# KiCad board motordriver.kicad_pcb (continued)
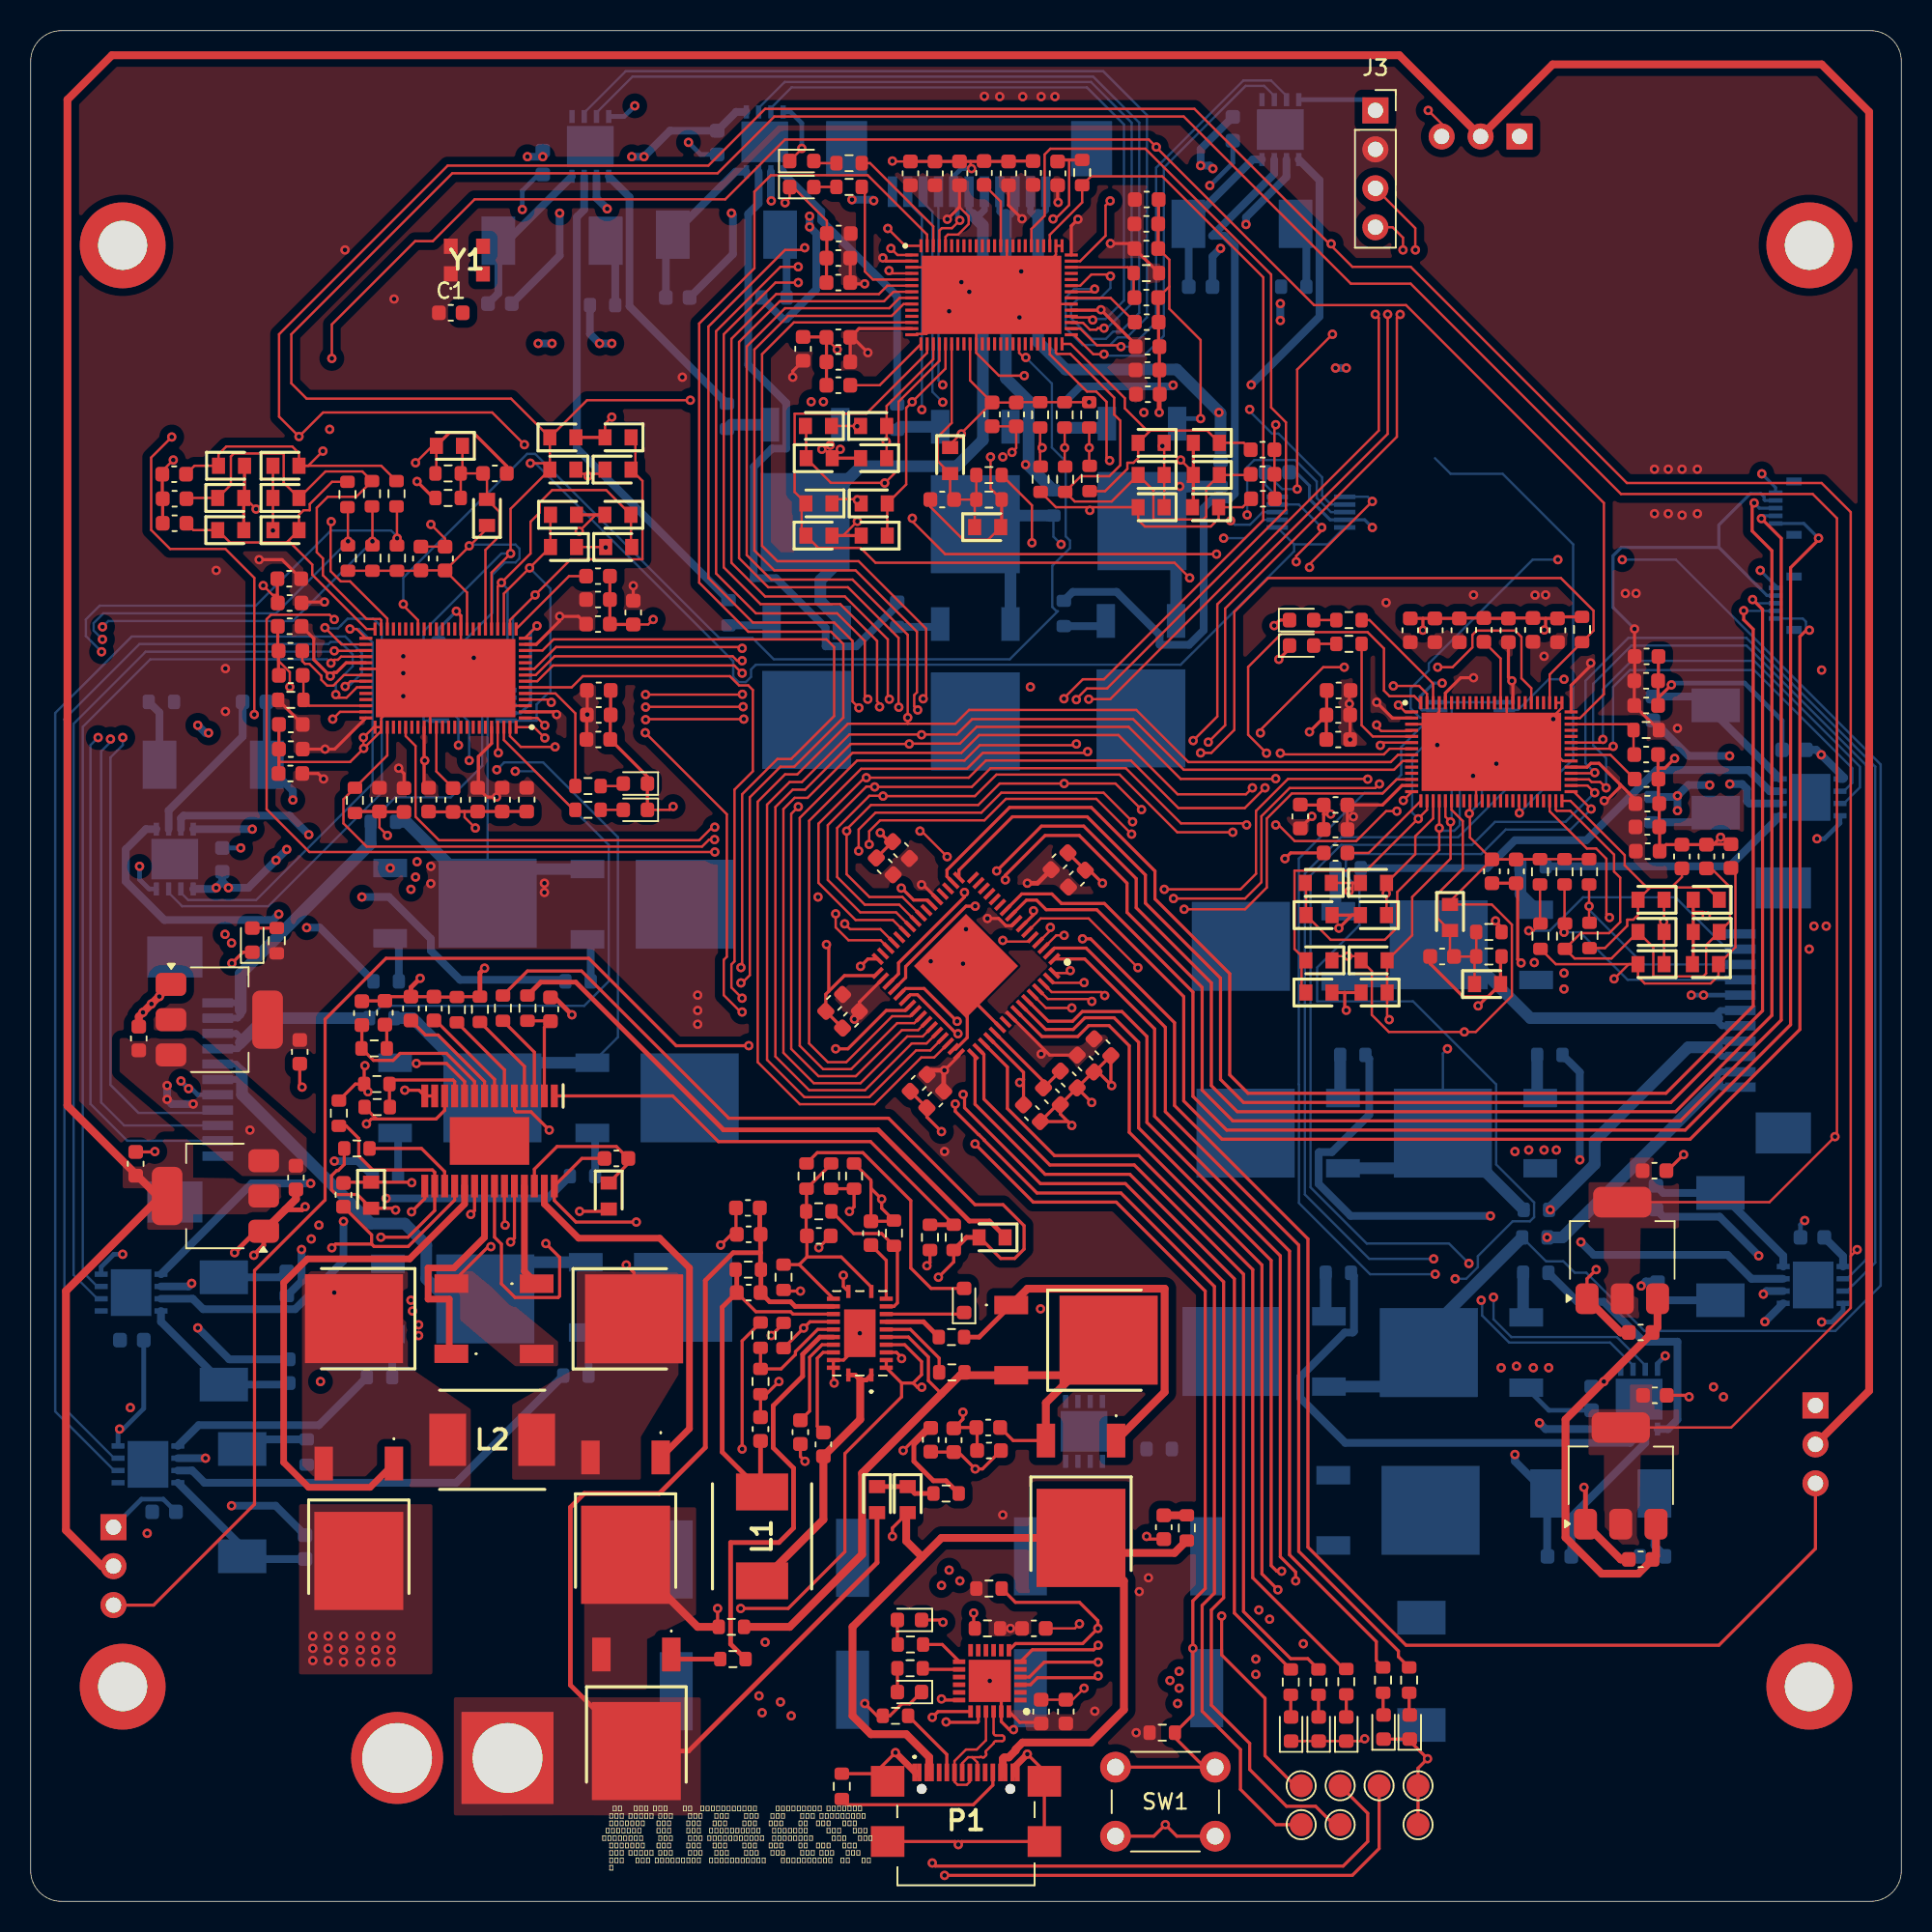
[diagram p0: board, top side]
## Nets (continued)
Pads without a net: IC1 9; IC2 9; IC3 9; IC6 29; IC7 11 12 13 14 15 16 19 20 23 28 31 55; IC8 9; IC9 9; IC10 9; IC12 2 6 7 8 9; IC13 9; IC14 9; IC15 9; J1 6 7; J2 6 7; J5 MP1 MP2; J6 MP1 MP2; J7 MP1 MP2; P1 A8 B8; U5 10 11 21 22 25 26 27 28 29 30 32 33 34 35 48 49 56 57 59 60 64 65 66 67 68 69 70 71; U6 1 2 5 8 9 10 11 12 15 16 17; U7 10 11 21 22 25 26 27 28 29 30 32 33 34 35 48 49 56 57 59 60 64 65 66 67 68 69 70 71; U8 10 11 21 22 25 26 27 28 29 30 32 33 34 35 48 49 56 57 59 60 64 65 66 67 68 69 70 71

## Via types
v1: diameter 0.61, hole 0.3, Top to Bottom, 639 vias
v2: diameter 0.6, hole 0.3, Top to Bottom, 2 vias

## Routing (per net, layer and track width the routed paths; a pad name or vN(x,y) marks a point on that pad's centre or on a via; arc(x,y) is an arc through that point)
+2.5V: length 442.6
  Top w0.152: U8.17 91.47,70.62 90.3,69.46 90.3,68.3 D64.2 D65.1 ; D18.1 D17.2 55.82,97.53 58.87,100.56 U5.17 ; v1(43.02,97.9) 36.28,97.9 D41.1 ; U1.2 113.4,45.6 v1(117.67,49.87) 117.8,50 117.8,90.2 116.22,91.78 103.72,91.78 90,105.5 86.1,105.5 75.2,116.4 48.5,116.4 44.8,112.7 27.5,112.7 17,102.2 17,99 18,98 31.33,98 D41.1 ; D40.2 D41.1 ; D40.2 33.45,93.79 v1(32.59,93.79) ; D40.2 31.3,90.82 v1(31.3,87.9) 30.06,86.66 U7.19 ; D43.1 D42.2 30.86,85.28 U7.17 ; U5.19 59.66,99.97 v1(57.49,97.79) 57.1,97.4 57.1,92.41 D15.2 D16.1 ; v1(88.6,57.5) 88.47,57.64 D63.1 D62.2 90.1,63 90.1,65.5 92.6,68 v1(92.6,70.4) 92.26,70.73 U8.19
  In1.Cu w0.152: v1(88.41,65.73) 90.23,65.73 92.6,68.1 v1(92.6,70.4)
  In2.Cu w0.152: v1(43.02,97.9) 43.82,98.7 56.58,98.7 v1(57.49,97.79) 55.8,96.1 v1(55.8,95.2) ; v1(117.67,49.87) 110.04,57.5 v1(88.6,57.5) ; v1(31.3,87.9) 31.6,87.9 v1(32.54,86.96)
  Bottom w0.152: v1(32.59,93.79) 32.91,93.79 45.82,80.88 45.82,79.86 46.16,79.52 46.64,79.52 46.98,79.86 46.98,80.34 47.29,80.65 75,80.65 82.4,88.05 82.4,88.5 ; 82.4,88.5 84.6,88.5 IC4.5 ; 82.4,88.5 IC4.6 ; v1(32.54,86.96) 33.9,85.6 33.9,78.78 33.71,78.78 33,78.06 33,77 IC11.5 ; 92.68,78.13 92.75,78.2 IC16.6 ; 92.68,78.13 92.68,70.48 v1(92.6,70.4) ; 92.68,78.13 92.6,78.2 IC16.5 ; v1(31.3,87.9) 30.7,87.9 25.62,82.82 25.62,77.07 25.7,77 IC11.6
+3.3V: length 484
  Top w0.152: 60.57,110.5 61.18,109.9 61.18,109.39 60.48,108.7 59.81,108.7 59.66,108.55 U5.72
  Top w0.203: 103.65,72.85 102.28,74.22 101.75,74.22 101.51,73.97 U8.43 ; 103.65,72.85 104.66,71.84 ; 103.65,72.85 103.65,72.67 102.76,71.78 v1(102.62,71.78) ; v1(54.39,105.49) 53.53,105.49 ; v1(14.9,87.5) 16.39,87.5 C84.2 ; v1(64.65,109.73) 63.78,110.61 C56.2 ; U7.2 34.12,77.58 v1(34.3,77.4) ; IC7.8 63.98,63.63 63.6,63.63 63.13,64.1 v1(62.4,64.1) ; 59.13,65.37 58.2,66.3 v1(58.1,66.3) ; IC7.56 66.46,55.19 C68.1 ; U6.24 64.5,11.68 65.82,11.68 ; U8.13 89.43,72.77 88.16,71.5 C125.2 C143.2 ; R97.2 C135.2 C134.2 ; U7.72 30.06,75.52 29.21,74.66 ; C39.2 66.97,110.84 v1(67.01,110.8) ; v1(39.3,85.8) C107.2 ; U8.52 100.47,79.31 101.74,80.58 v1(101.74,80.76) ; v1(94.1,79.8) 93.26,79.8 92.26,78.8 U8.72 ; C122.2 104.61,79.62 ; C62.2 C44.2 54.02,102.57 U5.13 ; 82.8,70 v1(83.56,70.76) ; 29.21,74.66 29.21,72.68 ; 29.21,74.66 29.21,72.57 29.75,72.02 v1(30.38,72.02) ; C101.2 24.35,73.55 v1(24,73.9) ; v1(68.3,109.7) 67.87,109.27 U5.52 ; C95.2 18.47,82.35 18.47,80.98 v1(19.54,79.9) 19.78,80.14 19.94,80.14 20.58,80.78 U7.43 ; U8.61 96.66,79.53 v1(96.6,79.6) 96.38,79.83 C137.2 ; C73.1 54.05,58.64 IC7.34 ; C88.2 35.72,83.8 v1(34.5,83.8) 34.5,83.5 32.97,81.97 U7.13 ; v1(19.1,73.2) 18.75,73.56 C85.2 ; C63.2 49.7,99.8 v1(49.7,99.4) ; C55.2 60.57,110.5 v1(59.78,109.7) ; U8.2 88.81,77.17 v1(87.78,78.2) ; C104.2 36.27,75.8 ; v1(55.58,107.18) 55.79,106.97 U5.2 ; v1(104.6,82.98) 104.6,81.2 ; v1(70.42,108.12) 71.66,108.12 C54.2 R51.2 ; 25.66,72.92 U7.61 ; v1(36.3,77.4) 36.3,78.95 ; U7.52 19.83,75.14 v1(19.2,75.14) C97.2 ; 72.06,101.54 v1(69.8,103.8) 69.77,103.77 U5.43 ; C141.2 v1(86.05,75.77) ; R72.2 C98.2 ; v1(59.59,54.2) 60.54,55.15 IC7.48 ; C59.2 C60.2 ; 86,78.89 v1(86,78.1) 86,77.42 ; 53.6,102 v1(54.6,101) ; v1(19.16,84.74) 17.73,84.74
  Top w0.305: v1(53.72,57.53) 53.72,57.72 C73.1 ; v1(65,66.4) 65.67,66.4 C72.1 ; C75.1 59.55,54.15 v1(59.59,54.2) 58.74,54.2 C76.1
  In1.Cu w0.305: v1(53.72,57.53) 56.49,60.3 60.8,60.3 65.84,55.26 v1(65.9,55.26) ; v1(63.4,25.2) 67.5,21.1 v2(72.9,21.1) ; v2(72.3,20.2) 71.7,20.8 66.9,20.8 v1(63.9,17.8) ; v1(72.1,11) 70.7,12.4 v1(69.4,12.4) ; v1(62.4,64.1) 64.7,66.4 v1(65,66.4)
  In2.Cu w0.203: v1(68.3,109.7) 67.2,110.8 v1(67.01,110.8) ; v1(68.3,109.7) 68.3,110.6 66.8,112.1 v1(66.8,117.7) ; v1(68.3,109.7) 68.84,109.7 v1(70.42,108.12) ; v1(12.7,77.6) 13.54,76.76 17.59,76.76 v1(19.2,75.14) ; 56.46,107.18 56.59,107.05 56.59,106.1 55.98,105.49 v1(54.39,105.49) 54.39,101.21 v1(54.6,101) 54.2,100.6 50.9,100.6 v1(49.7,99.4) v1(42.5,99.4) ; 56.46,107.18 v1(55.58,107.18) ; 56.46,107.18 62.2,112.93 v1(62.2,117.72) ; v1(64.65,109.73) 64.65,117.65 v1(64.7,117.7) ; v1(19.54,79.9) 19.29,79.66 19.29,78.36 20.31,77.35 20.31,76.25 v1(19.2,75.14) ; v1(19.54,79.9) 19.35,80.1 13,80.1 v1(12.7,80.4) ; v1(19.54,79.9) 18.58,80.86 18.58,84.16 v1(19.16,84.74) ; v1(98.11,85.19) 98.12,85.2 v1(98.8,85.2) 98.9,85.3 v1(104,85.3) v1(104.7,85.3) ; v1(34.3,77.4) 33.89,77.4 33.34,77.94 33.34,82.64 v1(34.5,83.8) 36.5,85.8 v1(39.3,85.8) ; v1(34.3,77.4) 33.38,77.4 32.92,76.94 32.92,66.98 v1(33.51,66.4) v1(33.51,65.8) ; v1(34.3,77.4) v1(36.3,77.4) ; v1(104.6,82.98) 104.19,82.58 103.55,82.58 v1(101.74,80.76) 101.3,81.2 v1(98.7,81.2) 98.2,81.2 v1(96.6,79.6) ; v1(19.1,73.2) 19.1,75.05 v1(19.2,75.14) ; v1(107.7,93.4) v1(107.7,90.4) ; v1(83.56,70.76) 84.31,70 85.52,70 v1(86.26,70.74) 85.9,71.1 85.9,75.62 v1(86.05,75.77) ; v1(30.38,72.02) 30.38,69.18 27.57,66.37 v1(26.09,66.37) v1(26.09,67.5) 26.09,74.01 v1(25.7,74.4) 25.2,73.9 v1(24,73.9) ; v1(59.78,109.7) 59.81,109.7 63.2,113.09 v1(63.2,117.7) ; v1(102.62,71.78) 102.76,71.78 107.4,76.42 v1(107.4,76.5) ; v1(14.9,87.5) 12.8,87.5 v1(12.1,86.8) ; v1(94.1,79.8) v1(94.1,85.2) ; v1(106.8,93.4) v1(106.8,90.5) ; v1(86,78.1) 86.1,78.2 v1(87.78,78.2) 87.78,84.08 v1(88.4,84.7) ; v1(108.7,93.4) v1(108.7,90.5) ; v1(69.8,103.8) 65.9,107.7 v1(65.9,117.7) ; v1(105.9,93.4) v1(105.9,90.5) ; v1(23.7,104.5) v1(20.5,107.7)
  In2.Cu w0.305: v1(62.4,64.1) 60.3,64.1 v1(58.1,66.3) 53.5,61.7 45.6,61.7 43.5,59.6 v1(43.5,59.1) v1(43.5,58.1) v1(43.5,57.2) 53.39,57.2 v1(53.72,57.53) 56.27,57.53 59.6,54.2 59.6,53.4 58.74,52.54 58.74,49.76 v1(59.6,48.9) 59.76,48.74 61.94,48.74 65.9,52.7 v1(65.9,55.26)
  Bottom w0.203: J2.2 113.1,91.36 113.05,91.41 113.05,91.6 112.84,91.81 112.15,91.81 110.1,89.76 110.1,88.3 ; J1.2 113.24,85.16 110.1,88.3 ; v1(104.6,82.98) 103.19,84.39 103.19,87.75 103.74,88.3 110.1,88.3
+5V: length 314.9
  Top w0.508: S3.2 119.9,33.3 119.9,116.7 116.8,119.8 99.26,119.8 S2.2 89.26,120.4 5.3,120.4 2.4,117.5 2.4,51.88 8.28,46 ; 8.5,46 2.3,39.8 2.3,24.2 4.64,21.86 S1.2
+5VA: length 479.6
  Top w0.152: C147.2 96.87,67.95 ; C147.2 93.87,69.39 U8.23 ; C147.2 92.56,65.22 ; 95.31,67.94 98.41,67.94 ; 118.7,38.7 118.7,90.6 116.8,92.5 104.1,92.5 90,106.6 86.2,106.6 75.9,116.9 47.9,116.9 44.2,113.2 27.2,113.2 16.2,102.2 16.2,96.83 v1(17.5,95.53) 19.07,97.1 30.1,97.1 v1(32.2,95) ; 118.7,38.7 110.9,30.9 U4.2 ; 118.7,38.7 118.7,42.08 v1(119.12,42.5) ; U7.23 28.46,85.36 C110.2 29.76,89.53 ; D19.1 D21.1 D24.1 ; D13.1 D17.1 ; D66.1 D68.1 D71.1 ; 60.62,95.67 C66.2 61.26,99.19 U5.23 ; 60.62,95.67 60.65,95.7 v1(60.7,95.7) ; 60.62,95.67 59.97,95.02 ; 86.2,66.42 86.2,66.09 v1(85.98,65.87) ; 86.2,66.42 D60.1 ; 86.2,66.42 D64.1 ; D74.1 95.29,65.01 96.6,63.7 96.6,59.05 94.25,56.7 v1(93.5,56.7) 88.58,56.7 87.47,57.81 87.47,60.67 D62.1 ; 86.49,61.64 85.14,61.64 ; v1(84.9,102.2) 82.6,99.9 v1(82.6,92.1) ; R64.1 R65.1 R66.1 25.42,86.78 ; C108.2 27.02,86.8 ; D44.1 D46.1 D49.1 ; R89.1 R90.1 R91.1 96.9,67.97 ; D38.1 D42.1 ; C64.2 62.71,97.75 ; 53.89,91.44 52.54,91.44 ; v1(69.03,97.77) R44.1 R45.1 64.3,97.77 ; 35.83,93.1 37.19,93.1
  In2.Cu w0.152: v1(84.9,102.2) 84.9,108.01 v1(84.81,108.1) ; v1(53.92,91.4) 53.92,91.62 58,95.7 v1(60.7,95.7) ; v1(53.92,91.4) 50.82,88.3 v1(37.5,88.3) 36.35,89.45 v1(36.35,92.95) 36.35,93.15 36.4,93.2 34,93.2 ; v1(53.92,91.4) 53.92,96.19 v1(53.91,96.2) ; v1(15.8,89.4) 15.8,93.83 v1(17.5,95.53) ; 34,93.2 29.2,88.4 v1(28.6,88.4) ; 34,93.2 v1(32.2,95) ; v1(119.12,42.5) 118.71,42.91 ; 118.71,42.91 118.71,51.69 v1(106.5,63.9) ; 118.71,42.91 118.71,47.29 109.3,56.7 v1(93.5,56.7) ; v1(85.98,65.87) 85.9,65.79 v1(85.9,61.64) ; v1(73.81,94.91) 70.95,97.77 v1(69.03,97.77)
  Bottom w0.152: v1(93.82,70.94) 94.65,71.77 C118.2 96.1,76.05 IC16.10 ; IC4.10 80.53,92.38 C155.2 81.62,92.1 v1(82.6,92.1) ; IC11.10 C9.2 30.12,84.04 30.12,86.52 30.92,87.32 31.62,87.32 31.88,87.58 31.88,88.22 31.62,88.48 28.68,88.48 v1(28.6,88.4)
+12V: length 138.4
  Top w0.152: v1(65.3,88.6) 65.3,91.05 R53.1 ; 95.93,63.55 v1(95.53,63.94)
  Top w0.203: IC6.24 31.55,43.25 v1(31.3,43) ; 22.55,51.02 R34.2 ; 22.55,51.02 22.22,51.02 v1(21.9,50.7) ; 22.55,51.02 26.44,51.02 27,51.59 IC6.12 ; 26.28,91.53 v1(25.2,92.6)
  Top w0.508: U4.3 106,22.53 C28.1 104.85,21.37 102.46,21.37 100.1,23.73 100.1,31.42 C10.1 106.1,37.42 U1.3
  In2.Cu w0.152: v1(65.2,79.2) 65.3,79.3 v1(65.3,88.6) ; v1(95.53,63.94) 97.38,62.1 103.88,62.1 106.26,64.48 106.74,64.48 109.12,62.1 v1(115.99,62.1)
  Bottom w0.508: v1(81.5,103.1) v1(81.5,104.2) ; 12.5,66.5 v1(12.9,66.1) 14.2,66.1 v1(16,67.9) v1(16.7,68.6) ; 12.5,66.5 C116.1 ; 12.5,66.5 v1(12.1,66.1) 12.03,66.03 IC10.1 ; v1(107.4,72.1) 108.1,72.8 v1(109.5,72.8) ; v1(107.4,72.1) 107.32,72.03 R101.1 ; v1(107.4,72.1) v1(107.4,71.13) ; v1(10.9,76.7) 11.4,76.2 v1(11.6,76.2) ; IC14.1 118.2,42.07 C151.1 ; v1(77.1,113) 76.9,113.2 v1(76.3,113.2) 76.3,114.28 C7.1 ; v1(33.1,101.6) v1(34,101.6) ; IC13.1 118.19,73.2 118.27,73.28 v1(116.78,74.78) 116.45,75.1 C149.1 ; v1(54.98,110.91) 54.91,110.98 v1(53.56,110.98) ; v1(85.8,100) v1(85.1,100) ; v1(37.9,101.6) v1(37.1,101.6) 36.47,102.22 R1.1 ; IC2.1 46,116.7 C5.1 41.69,115.47 v1(40,113.78) v1(39.2,113.78) ; v1(32.4,113.78) v1(33.4,113.78) ; v1(8.9,53.2) v1(8.9,52.3) 9.2,52 v1(10.6,52) ; R104.1 105.32,40.42 v1(105.03,40.13) ; v1(50.8,109.9) v1(50.8,109.2) 51.24,108.76 51.24,105.13 49.3,103.19 49.06,103.19 R4.1 ; v1(17.67,42.51) 17.67,40.44 R79.1
  vias: v1(6.5,32.2) v1(7.6,24) v1(12.67,63.07) v1(13.1,62.5) v1(14.3,50.3) v1(18.3,43.2) v1(18.4,17.3) v1(18.4,16.5) v1(18.4,15.7) v1(18.8,44.1) v1(18.9,33.9) v1(19.4,17.3) v1(19.4,16.5) v1(19.4,15.7) v1(20.4,17.3) v1(20.4,16.4) v1(20.4,15.6) v1(21.5,17.3) v1(21.5,16.4) v1(21.5,15.6) v1(22.5,17.3) v1(22.5,16.4) v1(22.5,15.6) v1(23.5,17.3) v1(23.5,16.4) v1(23.5,15.6) v1(102.6,33.9) v1(109.75,33.55) v1(110.4,32.9) v1(116.3,63.6) v1(116.8,80.3) v1(117.1,63.6)
/voltageregulators/VCC: length 25.4
  Top w0.203: R36.1 20.45,48.06 20.06,47.67 19.97,47.67 19.62,47.32 19.62,46.4 19.93,46.1 21.3,46.1 D9.2 23.69,45.2 v1(23.8,45.09) ; IC6.23 30.9,44.14 v1(30.94,44.1) ; v1(35.8,45) 37.55,45
  In1.Cu w0.203: v1(23.8,45.09) 23.8,44.3 24,44.1 v1(30.94,44.1) 34.9,44.1 v1(35.8,45)
GND: length 590.8
  Top w0.152: 75.82,93.17 v1(75,94) ; U7.14 32.26,82.42 v1(33.02,83.18) ; C82.2 68.1,17.8 v1(68.4,18.1) ; 16.09,85.2 15.77,85.2 v1(15.17,85.81) ; U8.73 91.87,77.59 91.05,76.77 U8.3 ; v1(30.5,74.9) 30.46,74.94 U7.73 ; U8.62 96.26,75.97 ; U5.3 59.73,106.57 ; v1(24.3,78.6) 22.86,77.16 U7.54 U7.53 22.38,76.58 v1(21.7,75.9) 21.7,75.21 v1(21.72,75.19) ; v1(50.29,114.32) 50.29,114.29 D23.1 ; v1(40.6,83.6) 40.28,83.28 39.3,83.28 ; U7.62 26.06,78.78 ; U7.24 28.06,80.78 ; C110.1 27.02,88.88 v1(26.1,89.8) ; C77.2 C78.2 67.95,13.15 v1(68.7,13.9) ; U8.24 94.26,73.2 ; v1(23.27,69.52) 22.75,70.03 22.75,71.08 ; 81.14,92.96 C47.1 ; 67.7,113.57 67.73,113.54 67.73,110.63 66.82,109.72 v1(66.68,109.72) ; v1(29,70) 28.3,70.7 28.3,71.08 ; 74.26,105.32 74.26,107.06 C54.1 ; 74.26,105.32 C52.2 ; 74.26,105.32 74.26,103.86 76.3,101.83 v1(76.3,96.7) ; v1(21.72,75.19) 20.83,74.31 16.2,74.31 16.19,74.3 ; v1(21.72,75.19) 22.86,76.33 ; 26.21,94.92 v1(25.1,93.82) ; U8.53 U8.54 ; U7.3 28.86,77.97 ; v1(53.92,90) 52.99,89.07 D12.2 ; U8.44 99.93,74.37 99.3,75 ; 61.66,103.77 U5.24 61.66,100.99 63.15,99.5 v1(64.8,99.5) ; v1(89.52,71.79) 90.06,72.34 U8.14 ; R54.2 62.6,92.15 v1(62.6,94.2) ; v1(60.59,109.63) 60.08,109.12 59.42,109.12 59.26,108.97 U5.73 ; 16.16,80.9 16.9,80.16 v1(16.9,79.2) ; U5.44 62.01,104.17 ; v1(41.9,71.4) 41.69,71.19 D48.1 ; U7.44 24.03,80.38 ; v1(81.2,96.3) 81.12,96.22 C43.1 C46.1 ; 57.74,102.17 57.79,102.22 58.42,102.22 v1(59.9,103.7) ; C65.1 58.68,90.94 60.82,88.8 62.44,88.8 D28.2 ; U5.53 U5.54 66.87,107.39 64.25,104.77 ; 51.9,101.91 v1(52.6,101.21) ; v1(37.9,96.8) 37.46,96.36 D37.2 ; v1(35.78,89.35) 36.85,90.42 D39.2 ; v1(56.2,113.5) 56.23,113.47 C49.1 ; v1(49.2,110.78) 49.5,111.08 49.5,111.82 ; U5.62 63.66,105.77 ; 49.7,111.82 51.93,109.6 C42.1 ; D31.1 D32.1 86.85,10.45 v1(87,10.6) ; D53.2 26.46,93.19 ; C108.1 27.02,88.35 ; 61.3,113.47 61.3,113.06 v1(61.36,113.01) ; 13.97,91.53 v1(14.7,90.8) ; 99.87,77.84 99.3,77.28 ; v1(64,94.5) 64.28,94.78 C64.1 62.71,96.19 ; 8.58,93.28 v1(9.3,94)
  Top w0.203: 16.19,73.58 C97.1 C98.1 ; D30.1 D29.1 ; 95.87,61.56 D75.2 95.04,58.99 ; 89.94,10.46 v1(91.1,9.3) 90.48,8.68 TP3.1 TP7.1 ; 54.8,46.9 54.8,47.03 R23.2 ; 54.8,46.9 54.8,46.5 v1(55.5,45.8) 55.5,45.2 56.3,44.4 ; 54.8,46.9 C15.2 56.25,44.35 ; 62.15,113.47 C55.1 C48.1 C49.1 ; C61.1 C62.1 C44.1 ; 66.11,8.49 v1(65,9.6) ; 95.04,58.99 94.99,58.99 v1(94.4,58.4) ; 95.04,58.99 93.43,58.99 91.28,61.14 C146.1 ; IC6.15 25.7,45.83 v1(24.84,44.97) ; C24.1 R15.1 ; v1(50.5,28.7) 50.2,29 C23.2 ; D8.1 13.85,61.9 v1(13.12,61.18) ; D39.2 D43.2 ; 90.8,83.67 C129.1 C136.1 ; 90.8,83.67 v1(90.8,82.9) ; 90.8,83.67 C130.1 ; v1(21.8,54.5) 21.75,54.45 R35.1 21.17,53.3 20.1,52.22 ; v1(58.45,41.45) 58.65,41.65 R31.1 ; C76.2 C75.2 58.45,51.15 v1(59.4,50.2) ; C51.1 C50.1 73.61,98.31 ; C131.1 C132.1 ; C20.2 17.55,53.25 v1(17.7,53.1) ; C138.1 96.4,83.69 ; v1(33.82,50.3) 32.63,51.49 31.65,51.49 31.55,51.59 IC6.5 ; D72.2 108.43,64.5 ; 108.43,64.5 109.06,64.5 v1(109.28,64.28) ; 108.43,64.5 D69.2 108.43,61.17 ; C141.1 C140.1 ; C147.1 96.87,66.4 ; C128.1 109.31,68.94 ; v1(54.4,12.9) 55.2,12.1 R40.2 56.04,12.1 56.81,12.88 57.33,12.88 D35.1 ; v1(110.21,69.39) 109.73,68.92 C127.1 C124.1 106.66,68.92 C121.1 106.23,70.05 ; C120.1 98.8,83.67 ; 98.8,83.67 98.8,83 v1(98.71,82.92) ; 98.8,83.67 98,83.67 ; 52.05,59.35 51.86,59.16 C74.2 C73.2 ; 52.05,59.35 53.07,60.37 55.07,60.37 ; 52.05,59.35 52.05,62.25 v1(51.9,62.4) ; C133.2 106.13,73.9 ; 106.13,73.9 106.57,73.9 v1(107.21,74.54) ; 106.13,73.9 106.13,73.22 ; v1(65.4,64.6) 65.4,64.34 IC7.7 ; 32.35,71.08 27.57,71.08 ; U1.1 101.5,40.6 v1(102.1,41.2) ; C89.1 25.97,71.05 ; C104.1 C103.1 ; 16.16,79.98 C102.1 ; 61.08,60.92 61.08,56.33 60.34,55.59 IC7.47 ; D70.1 81.46,83.56 v1(81.1,83.2) ; C139.1 106.16,71.64 ; v1(25.16,54.64) 27.12,54.64 28.3,53.47 IC6.10 ; 84.32,70.9 84.78,70.9 v1(84.79,70.91) ; 84.32,70.9 C125.1 82.82,71.5 ; 84.32,70.9 C143.1 ; 22.75,71.08 21.25,71.08 ; 60.5,29.3 v1(61.6,28.2) 62.07,28.2 C19.2 ; C52.2 73.53,103.02 ; D18.2 D14.2 ; C134.1 C135.1 106.13,78.47 v1(107,79.33) ; C109.1 31.05,93.6 28.85,95.8 27.33,95.8 D53.2 ; 67.07,113.57 R49.2 ; C90.1 C87.1 ; C58.1 73.56,101.44 ; C63.1 51.88,102.03 ; 49.1,37.7 v1(48.3,36.9) ; C27.2 46,43.55 ; R41.1 55.03,8.32 v1(56.4,9.7) ; 75.82,90.97 D22.2 D25.2 ; 39.3,83.28 37.8,83.28 ; C26.2 8.08,48.88 v1(8.1,48.9) ; R54.2 63.32,89.68 ; v1(81.8,68) 82.18,68.38 C142.1 ; C71.2 C72.2 ; P1.MP4 P1.MP2 60.7,3.9 v1(60.5,3.7) 60.3,3.9 P1.MP1 ; C80.1 v1(69.2,52.1) ; C80.1 C79.1 67.15,51.35 v1(67.9,50.6) 67.65,50.85 C81.2 66.95,51.96 ; C80.1 69.29,54.09 ; C31.2 108.06,33 v1(108.16,32.9) ; IC7.22 58.47,65.3 57.59,65.3 56.81,66.08 v1(56.78,66.08) ; R32.1 27.83,59 ; C56.1 62.2,113.47 ; C53.1 C54.1 ; C41.1 73.56,109.42 ; C14.2 58.72,29.3 ; C126.1 93.2,83.69 ; v1(72.78,23.8) 72.96,23.62 C11.2 ; IC7.54 61,59.23 ; C101.1 22.77,71.05 ; D37.2 D41.2 ; v1(64.1,11.2) 63.82,11.2 63.3,11.72 U6.23 63.3,13.63 ; 21.75,53.05 v1(22,52.8) ; 54.07,36.36 53.02,35.3 IC5.22 IC5.23 52.35,33.85 v1(52.4,33.8) ; C122.1 106.16,79.62 ; 96.98,66.29 96.98,61.42 v1(97.2,61.2) ; C84.1 16.09,84.7 ; v1(85.8,58.11) 85.7,58.21 85.7,59.27 ; 55.99,69.11 v1(55.41,69.69) ; IC6.22 30.25,43.32 30.7,42.87 30.7,40.28 31.6,39.38 34.4,39.38 34.5,39.48 34.5,42 v1(33.6,42.9) ; v1(81.4,81) 82.1,81.7 D73.1 ; 37.8,77.35 C86.1 40.22,73.35 D48.1 ; v1(27.76,84.14) 28.06,83.84 U7.24 ; C69.2 C70.2 ; R38.1 26.33,58.97 ; 52.17,43.4 v1(51.4,42.63) ; 69.05,67.25 v1(69.9,66.4) ; C123.1 84.53,77.39 ; 85.7,59.27 D59.2 ; 85.7,59.27 D63.2 ; D34.1 59.35,18.35 v1(59.5,18.2) ; D47.2 D50.2 ; D61.2 D65.2 86.17,64.32 v1(85.32,63.46) ; C36.1 C34.1 23.38,59 ; 23.1,58.72 21.62,58.72 ; 84.5,77.37 v1(83.4,76.27) ; 45.7,43.5 v1(45,42.8) ; SW1.2 74.75,4.25 v1(74,5) 73.25,4.25 SW1.2 ; D45.2 13.95,91.58 ; C95.1 16.11,81.61 ; R95.2 99.68,83.77 ; IC6.13 IC6.14 25.33,52.9 v1(24.4,52.9) ; C91.1 8.58,91.5 ; C137.1 94.8,83.67 ; C105.1 C106.1 C88.1 ; 106.75,47.65 v1(107.8,48.7) ; C42.1 51.93,107.19 ; 47.97,33.08 v1(48.8,33.9) ; 69.61,54.09 v1(70.5,53.2) 70.45,53.25 C67.2 69.39,54.09 ; C57.1 63.8,113.5 ; C60.1 C59.1 ; D16.2 D12.2
  Top w0.305: 34.17,58.95 v1(35.3,57.82) ; R32.1 29.3,60.56 v1(29.6,60.86) ; v1(14.55,42.14) 15.2,42.78 U3.1 ; C34.1 24.8,59.6 v1(25.4,60.2) ; v1(73.6,97.1) 73.6,98.25 ; 16.6,45.1 17.7,45.1 v1(17.9,45.3) ; 52.5,94.4 v1(52.8,94.7) ; U4.1 101.4,26.9 v1(101.3,27) ; 14.69,43.7 v1(13.3,42.31)
  Top w0.432: 64.2,8.3 64.2,8.8 v1(65,9.6) ; v1(56.4,9.7) 57.8,8.3
  Top w0.508: C16.2 7.05,57.7 v1(7.33,57.97) v1(7.88,58.53) 8.36,59.01 v1(8.39,59.01) 8.39,59.04 U2.1 ; U4.1 103.7,22.3 C28.2 ; C22.2 17.3,45.8 U3.1 ; U1.1 103.7,37.1 C10.2
  Bottom w0.203: v1(112.8,86.8) 113.8,85.8 J1.1 ; C9.1 26.6,82.98 v1(27.76,84.14) ; v1(33.02,83.18) 32.6,82.76 32.6,78.15 31.95,77.5 IC11.4 ; J2.1 113.8,92.2 v1(112.9,93.1) ; IC16.4 90.75,77.7 90.6,77.85 90.6,78.55 91.49,79.45 v1(92.05,79.45) ; C155.1 82.53,93.2 83.4,92.33 83.4,91.45 84.75,90.1 IC4.4 87,90.1 v1(87.5,89.6)
  Bottom w0.305: J6.5 10.9,52.6 10.5,53 v1(10.3,53) v1(9.8,53.5) ; 33.12,112.62 32.06,111.56 v1(32.06,110.34) ; v1(76.9,111.9) 76.93,111.9 78.4,113.37 C7.2 ; v1(106.6,35.58) 106.1,35.08 IC15.4 ; v1(116.8,37.78) 117.46,37.78 118.2,38.52 IC14.4 ; IC8.4 5.7,30.7 v1(5.8,30.8) 6.03,30.8 7.38,32.15 C114.2 ; IC1.4 38.7,116.4 v1(39.4,117.1) ; v1(7.1,67.5) 7.1,66.65 7.72,66.03 IC10.4 ; IC2.4 49.55,116.7 50.29,115.96 v1(50.29,114.32) ; v1(76.3,96.7) 75.1,96.7 ; C149.2 114.22,77.01 111.78,79.45 107.12,79.45 v1(107,79.33) ; J5.5 v1(109.1,59.1) v1(108.3,59.1) ; IC13.4 118,70.32 116.98,69.3 v1(116.5,69.3) ; C112.2 8.65,26.23 7.23,26.23 S1.1 ; v1(42.9,114.72) 43.69,113.92 44.78,113.92 ; IC9.4 4.6,41.38 5.42,42.2 v1(6,42.2) ; Q22.3 99.01,32.03 C153.2 ; v1(61.36,113.01) 60.7,113.01 60.2,112.51 J7.5 60.44,111.26 60.44,109.79 v1(60.59,109.63) ; v1(115.7,44.4) 115.43,44.12 C151.2 ; C116.2 v1(13.7,68.7) ; IC3.4 87,117.5
  vias: v1(19.5,96) v1(23.45,67.39) v1(24.3,81.2) v1(24.3,80.1) v1(24.8,66) v1(24.8,39.2) v1(24.9,38.5) v1(25.1,66.8) v1(25.2,67.8) v1(25.3,37.6) v1(25.3,36.9) v1(28.9,81.1) v1(47.5,13.4) v1(47.7,12.3) v1(47.9,16.9) v1(48.9,13) v1(49.6,12.1) v1(50.9,97.8) v1(51.6,94.7) v1(51.7,97.8) v1(52.14,94.97) v1(54.07,37.05) v1(58.7,61.31) v1(59.4,20.6) v1(59.9,21.6) v1(60.6,20.9) v1(60.7,105.6) v1(60.81,61.15) v1(61,63.4) v1(61.21,104.97) v1(62.55,14.38) v1(63.4,94.2) v1(64.49,103.3) v1(64.6,106.3) v1(72.6,97.1) v1(74.3,14.4) v1(74.8,12.9) v1(74.9,15) v1(74.9,13.9) v1(79.9,15.8) v1(79.9,14.8) v1(80.1,19) v1(80.8,18.4) v1(83,16.8) v1(91.73,75.41) v1(94.07,73.4) v1(95.59,74.19) v1(95.9,34.8) v1(96.8,48.9) v1(96.9,34.9) v1(97.7,49) v1(98,34.8) v1(98.06,61.23) v1(98.7,49) v1(99,34.8) v1(99.3,77.1) v1(99.5,49) v1(100,60.54) v1(100,59.5)
/brake/BRAKE: length 167.6
  Top w0.152: v1(24.3,84.6) 24.3,84.52 25.26,83.56 U7.31 ; v1(19.8,83.6) 19.49,83.91 15.68,83.91 15.39,83.62 15.39,71.22 18.17,68.44 v1(44.62,68.44) ; U5.31 64.47,100.99 64.77,100.69 v1(64.9,100.69) ; v1(97.09,70.98) 97.09,71.75
  In2.Cu w0.152: v1(24.3,84.6) 20.8,84.6 v1(19.8,83.6)
  In2.Cu w0.203: v1(51.35,65.5) 47.85,65.5 44.92,68.44 v1(44.62,68.44)
  Bottom w0.152: 91.58,94.12 92.6,93.1 96,93.1 100.6,88.5 100.6,74.49 v1(97.09,70.98) ; v1(64.9,100.69) 66.6,98.99 66.6,94.81 67.5,93.91 67.5,89.02 67.78,88.74 67.78,88.26 66.63,87.11 66.63,84.41 66.9,84.14 66.99,84.14 63.85,81 48.47,81 47.07,82.4 44.9,82.4 32.9,94.4 32.38,94.4 24.3,86.32 v1(24.3,84.6)
/gates1/PHASE_U: length 40.6
  In2.Cu w0.152: v1(79.5,97.3) 77.7,97.3 v1(77.5,97.1)
  Bottom w0.152: v1(79.5,97.3) 79.5,97.18 80.96,95.72 81.38,95.72 84.22,92.88 84.22,91.67 84.8,91.1 IC4.2
  Bottom w0.432: J7.11 66.2,110.3 65.9,110 65.4,110 65.2,110.2 J7.10
  Bottom w0.762: 77.6,93.92 77.6,97.04 74.74,99.9 67.5,99.9 65.7,101.7 65.7,110
/gates1/PHASE_V: length 41.9
  In2.Cu w0.152: v1(64.88,93.7) 64.88,93.08 67.93,90.04 v1(78.26,90.04)
  Bottom w0.152: v1(78.26,90.04) 78.52,89.78 79.52,89.78 80.34,90.6 IC4.8 ; 65.08,93.64 64.94,93.64 v1(64.88,93.7)
  Bottom w0.432: J7.8 63.2,110.2 63.4,110 63.9,110 64.2,110.3 J7.9
  Bottom w0.762: 66.7,92.03 65.08,93.64 65.08,97.85 63.6,99.33 63.6,110
/gates1/PHASE_W: length 37.8
  Bottom w0.432: J7.7 62.2,110.3 61.9,110 61.4,110 61.2,110.2 J7.6
  Bottom w0.762: 52.9,87.56 51.5,86.16 51.5,84.8 Q5.3 ; 61.4,110 62.1,109.3 62.1,95.3 60.4,93.6 54.16,93.6 Q6.2
/gates1/PWM_U_H: length 27.6
  Top w0.152: v1(70,100.9) 69.3,100.9 68.03,102.17
  Bottom w0.152: v1(70,100.9) 70.1,100.8 72.6,100.8 73.9,102.1 73.9,113.07 79.23,118.4 80.45,118.4 81.1,117.75
/gates1/PWM_U_L: length 28
  Top w0.152: v1(71.1,101.39) 71.01,101.48 69.54,101.48 68.45,102.57 U5.40
  Bottom w0.152: v1(71.1,101.39) 71.79,101.39 73.4,103 73.4,113.06 79.09,118.75 80.9,118.75 81.9,117.75
/gates1/PWM_V_H: length 42.8
  Top w0.152: 67.87,102.95 68.63,102.95 69.08,102.5 69.5,102.5 69.6,102.6 v1(70,102.6)
  Bottom w0.152: 47.47,116.95 49.18,118.65 69.15,118.65 71.8,116 71.8,104.2 70.2,102.6 v1(70,102.6)
/gates1/PWM_V_L: length 40.1
  Top w0.152: U5.42 67.94,103.3 69.1,103.3 v1(69.27,103.13)
  Bottom w0.152: v1(69.27,103.13) 69.33,103.2 70.1,103.2 71.3,104.4 71.3,115.88 68.88,118.3 49.62,118.3 48.27,116.95
/gates1/PWM_W_H: length 64.4
  Top w0.152: U5.46 69.21,104.97 v1(69.39,105.15)
  Bottom w0.152: v1(69.39,105.15) 68.05,105.15 67.5,104.6 67.5,102.6 68.6,101.5 70.39,101.5 70.89,102 71.5,102 72.8,103.3 72.8,116.5 69.94,119.36 38.81,119.36 36.1,116.65
/gates1/PWM_W_L: length 63.3
  Top w0.152: U5.47 68.45,105.37 69.18,106.1 70.14,106.1 70.25,105.99 v1(70.42,105.99)
  Bottom w0.152: v1(70.42,105.99) 70.42,105.22 69.7,104.5 68.3,104.5 67.85,104.05 67.85,103.25 69.2,101.9 70.12,101.9 70.6,102.37 71.07,102.37 72.3,103.6 72.3,116 69.29,119 39.25,119 36.9,116.65
/gates2/PHASE_U: length 33.9
  Bottom w0.152: R85.1 23.78,72 27.4,72 29.45,74.05 29.45,77.85 30.1,78.5 IC11.2
  Bottom w0.432: J6.10 13.5,57.6 13.7,57.8 13.7,58.3 13.4,58.6 J6.11
  Bottom w0.762: 13.7,58.1 13.7,60.5 22.17,68.98 R85.1
/gates2/PHASE_V: length 55.1
  In2.Cu w0.152: v1(31.6,73.7) 31,73.1 29.9,73.1 v1(28.6,74.4)
  Bottom w0.152: R86.1 22.88,58.4 36.1,58.4 37.7,60 37.7,68.9 32.9,73.7 v1(31.6,73.7) ; IC11.8 27.5,78 28.6,76.9 v1(28.6,74.4)
  Bottom w0.432: J6.9 13.4,56.6 13.7,56.3 13.7,55.8 13.5,55.6 J6.8
  Bottom w0.762: R86.1 15.3,57.6 13.7,56
/gates2/PHASE_W: length 29.5
  Bottom w0.432: J6.6 13.5,53.6 13.7,53.8 13.7,54.3 13.4,54.6 J6.7
  Bottom w0.762: 13.7,54.1 13.78,54.02 13.78,52.62 22.2,44.2 24.4,44.2 25.8,42.8 25.8,40.6 27.11,39.29 ; Q18.3 32.04,41.68
/gates2/PWM_U_H: length 28.2
  Top w0.152: U7.39 21.25,82.98 v1(20.82,82.98)
  Bottom w0.152: 9.8,65.78 10.28,65.3 14.7,65.3 22.3,72.9 22.3,82.1 21.42,82.98 v1(20.82,82.98)
/gates2/PWM_U_L: length 35.5
  Top w0.152: v1(19.19,83.07) 20.28,81.97 U7.40
  Bottom w0.152: 9,65.78 9.88,64.9 15.5,64.9 22.9,72.3 22.9,83.1 22.35,83.65 20.67,83.65 20.24,83.22 20.24,83.22 20.04,83.02 19.24,83.02 v1(19.19,83.07)
/gates2/PWM_V_H: length 59.2
  Top w0.152: v1(19.8,81.55) 21.25,81.55 21.28,81.58 U7.41
  Bottom w0.152: 4.35,39.3 2.8,40.85 2.8,76.8 7.5,81.5 19.75,81.5 v1(19.8,81.55)
/gates2/PWM_V_L: length 57.5
  Top w0.152: v1(19.58,80.75) 19.8,80.97 20.04,80.97 20.24,81.17 U7.42
  Bottom w0.152: 4.35,40.1 3.4,41.05 3.4,76.6 7.8,81 19.33,81 v1(19.58,80.75)
/gates2/PWM_W_H: length 77.7
  Top w0.152: U7.46 20.85,79.58 v1(20.51,79.23)
  Bottom w0.152: 5.45,28.1 1.6,31.95 1.6,77.5 6.59,82.49 20.51,82.49 21.6,81.4 21.6,80.1 20.73,79.23 v1(20.51,79.23)
/gates2/PWM_W_L: length 76.2
  Top w0.152: v1(19.9,78.7) 20.1,78.5 20.6,78.5 21.28,79.17 U7.47
  Bottom w0.152: 5.45,28.9 2.2,32.15 2.2,77.1 7.1,82 19.43,82 19.56,82.13 20.19,82.13 21,81.32 21,80.54 19.9,79.44 v1(19.9,78.7)
/gates3/PHASE_U: length 75
  In1.Cu w0.152: v1(98.9,43.3) 98.9,43.6 98.4,44.1 94.8,44.1 v1(91.6,40.9)
  Bottom w0.152: v1(91.6,40.9) 87.35,40.9 82.71,45.54 82.71,53.28 82.7,53.29 82.7,68 86.99,72.29 88.2,72.29 89.38,73.47 89.38,75.28 90.8,76.7 IC16.2
  Bottom w0.432: J5.11 110.3,53.1 110,53.4 110,53.9 110.2,54.1 J5.10
  Bottom w0.762: R110.1 99.9,43.3 110,53.4
/gates3/PHASE_V: length 81.5
  In1.Cu w0.152: v1(99.1,45.1) 98.92,45.28 94.88,45.28 v1(91.5,41.9)